# Altium PCB WiSN.PcbDoc (part 1 of 2)
Units mil, origin at the board's own origin, x right, y up, seen from the top; angles counter-clockwise.
Board outline 3858.27 x 3858.27 mil, 4 copper layers (Top Layer, GND, PWR, Bottom Layer), stack 61.2 mil thick; 132 components, 87 nets, 424 pads, 339 vias.
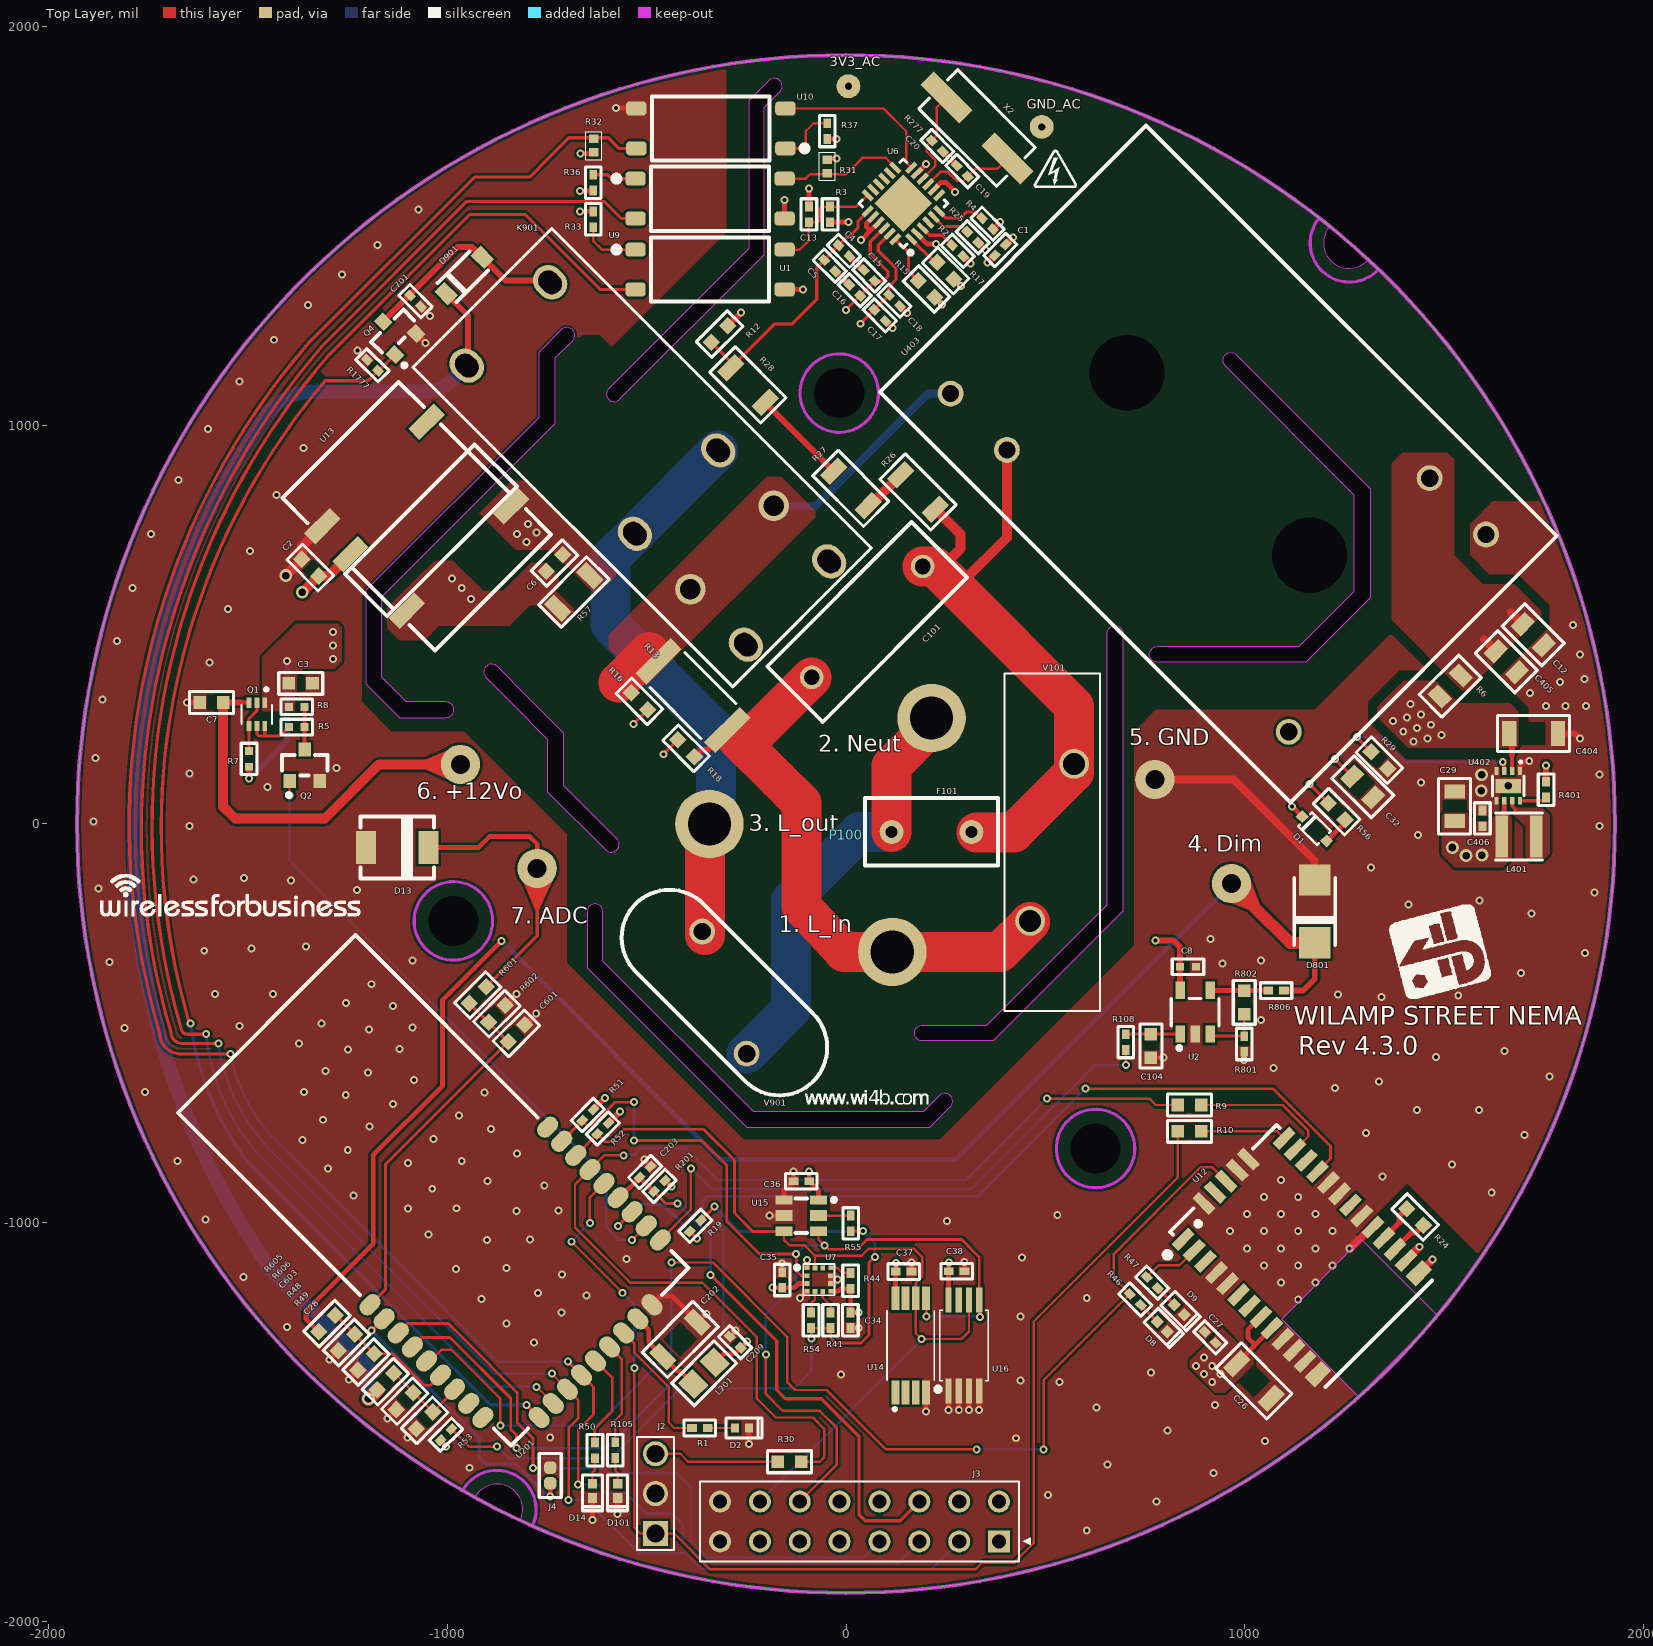
[diagram p0: Top Layer view]
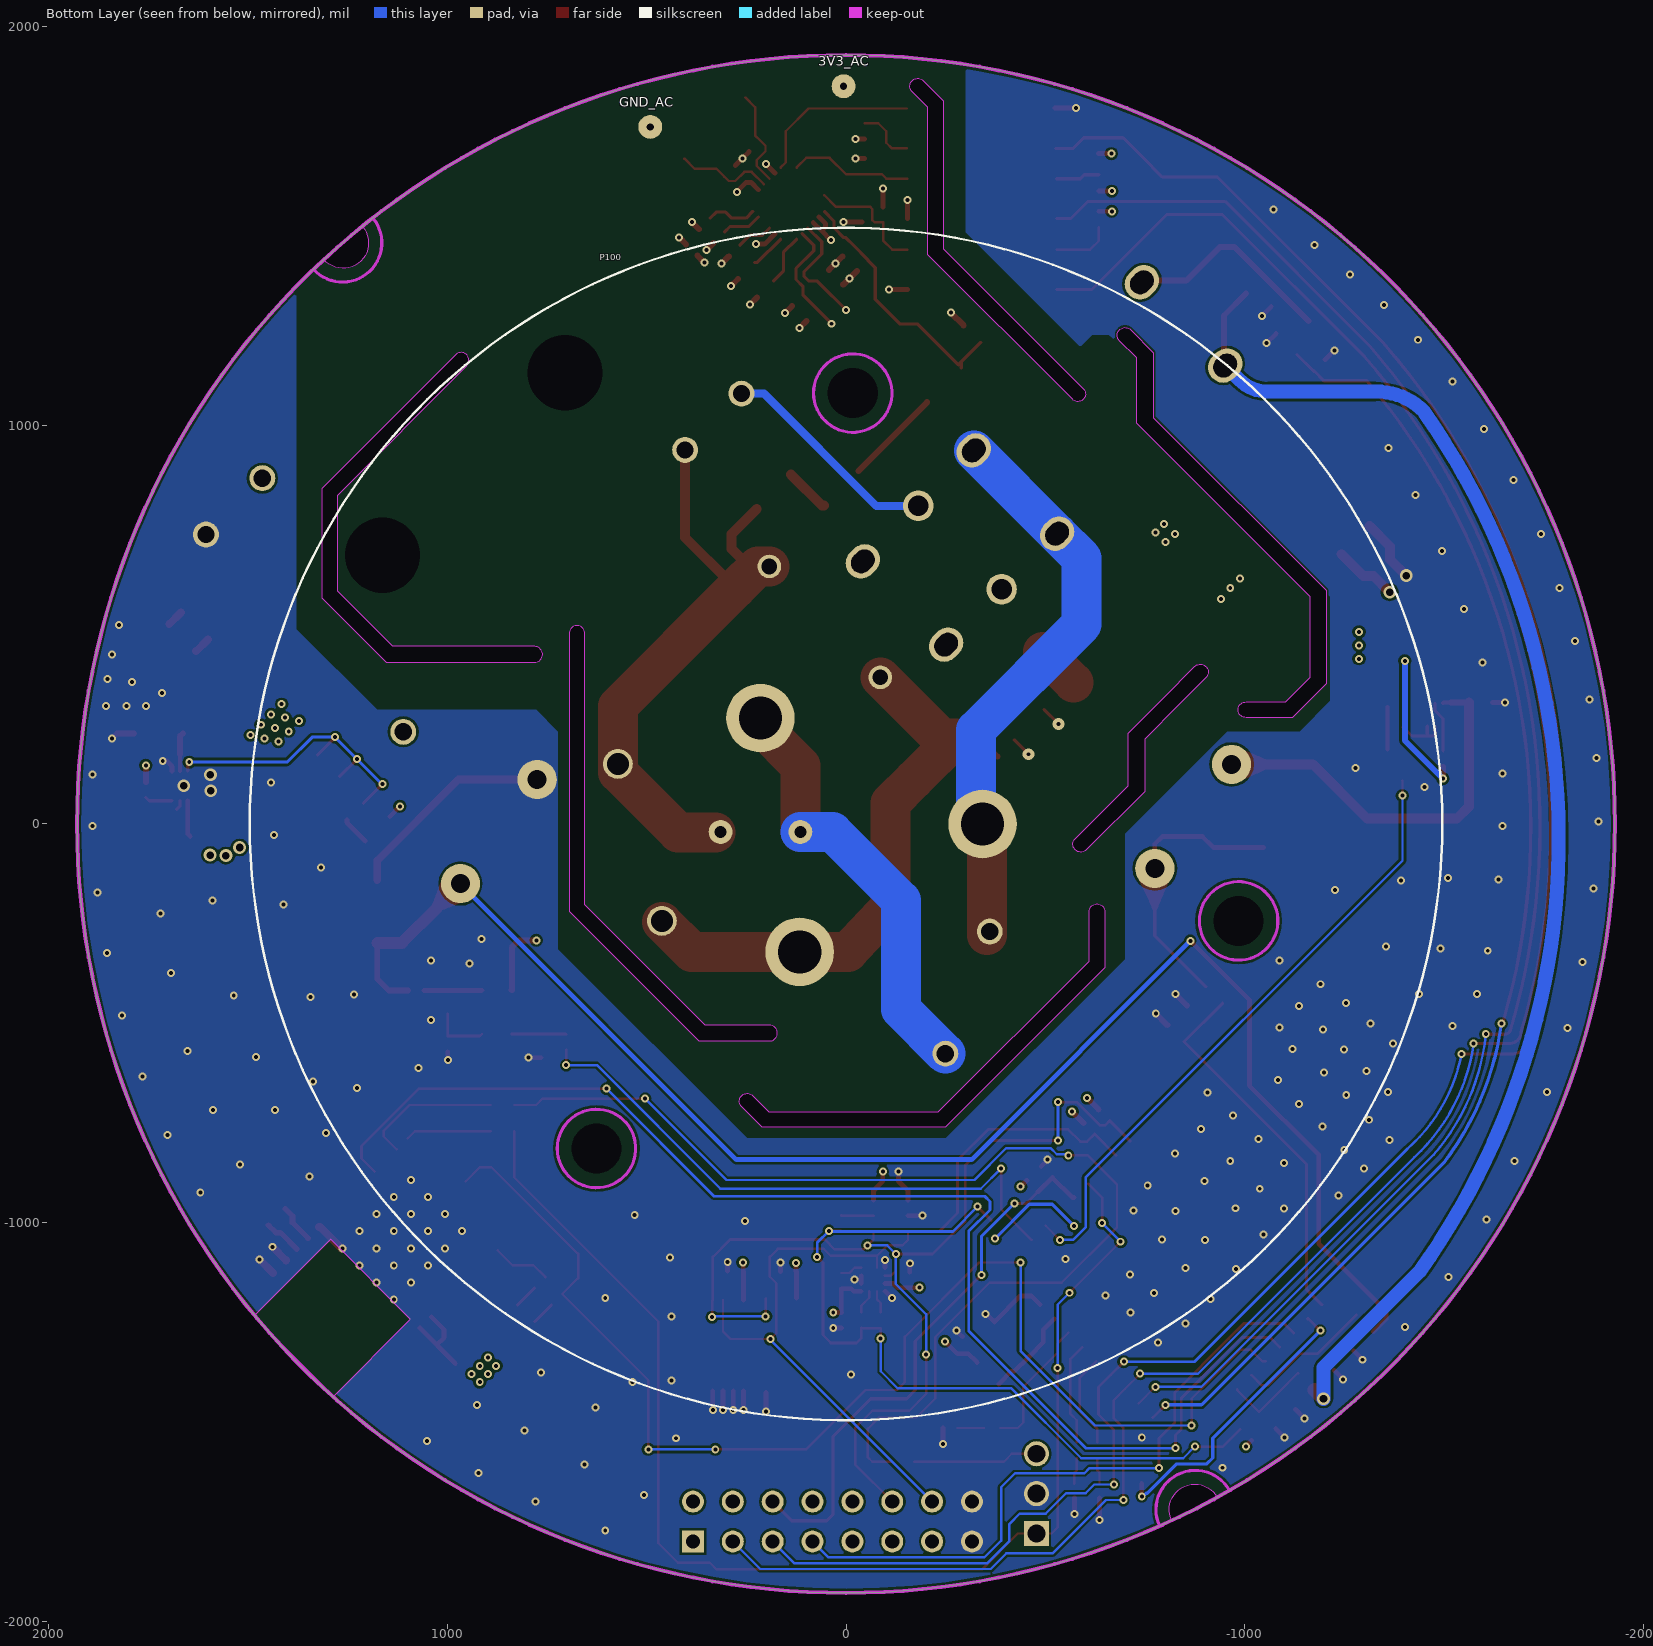
[diagram p1: Bottom Layer view, seen from below]
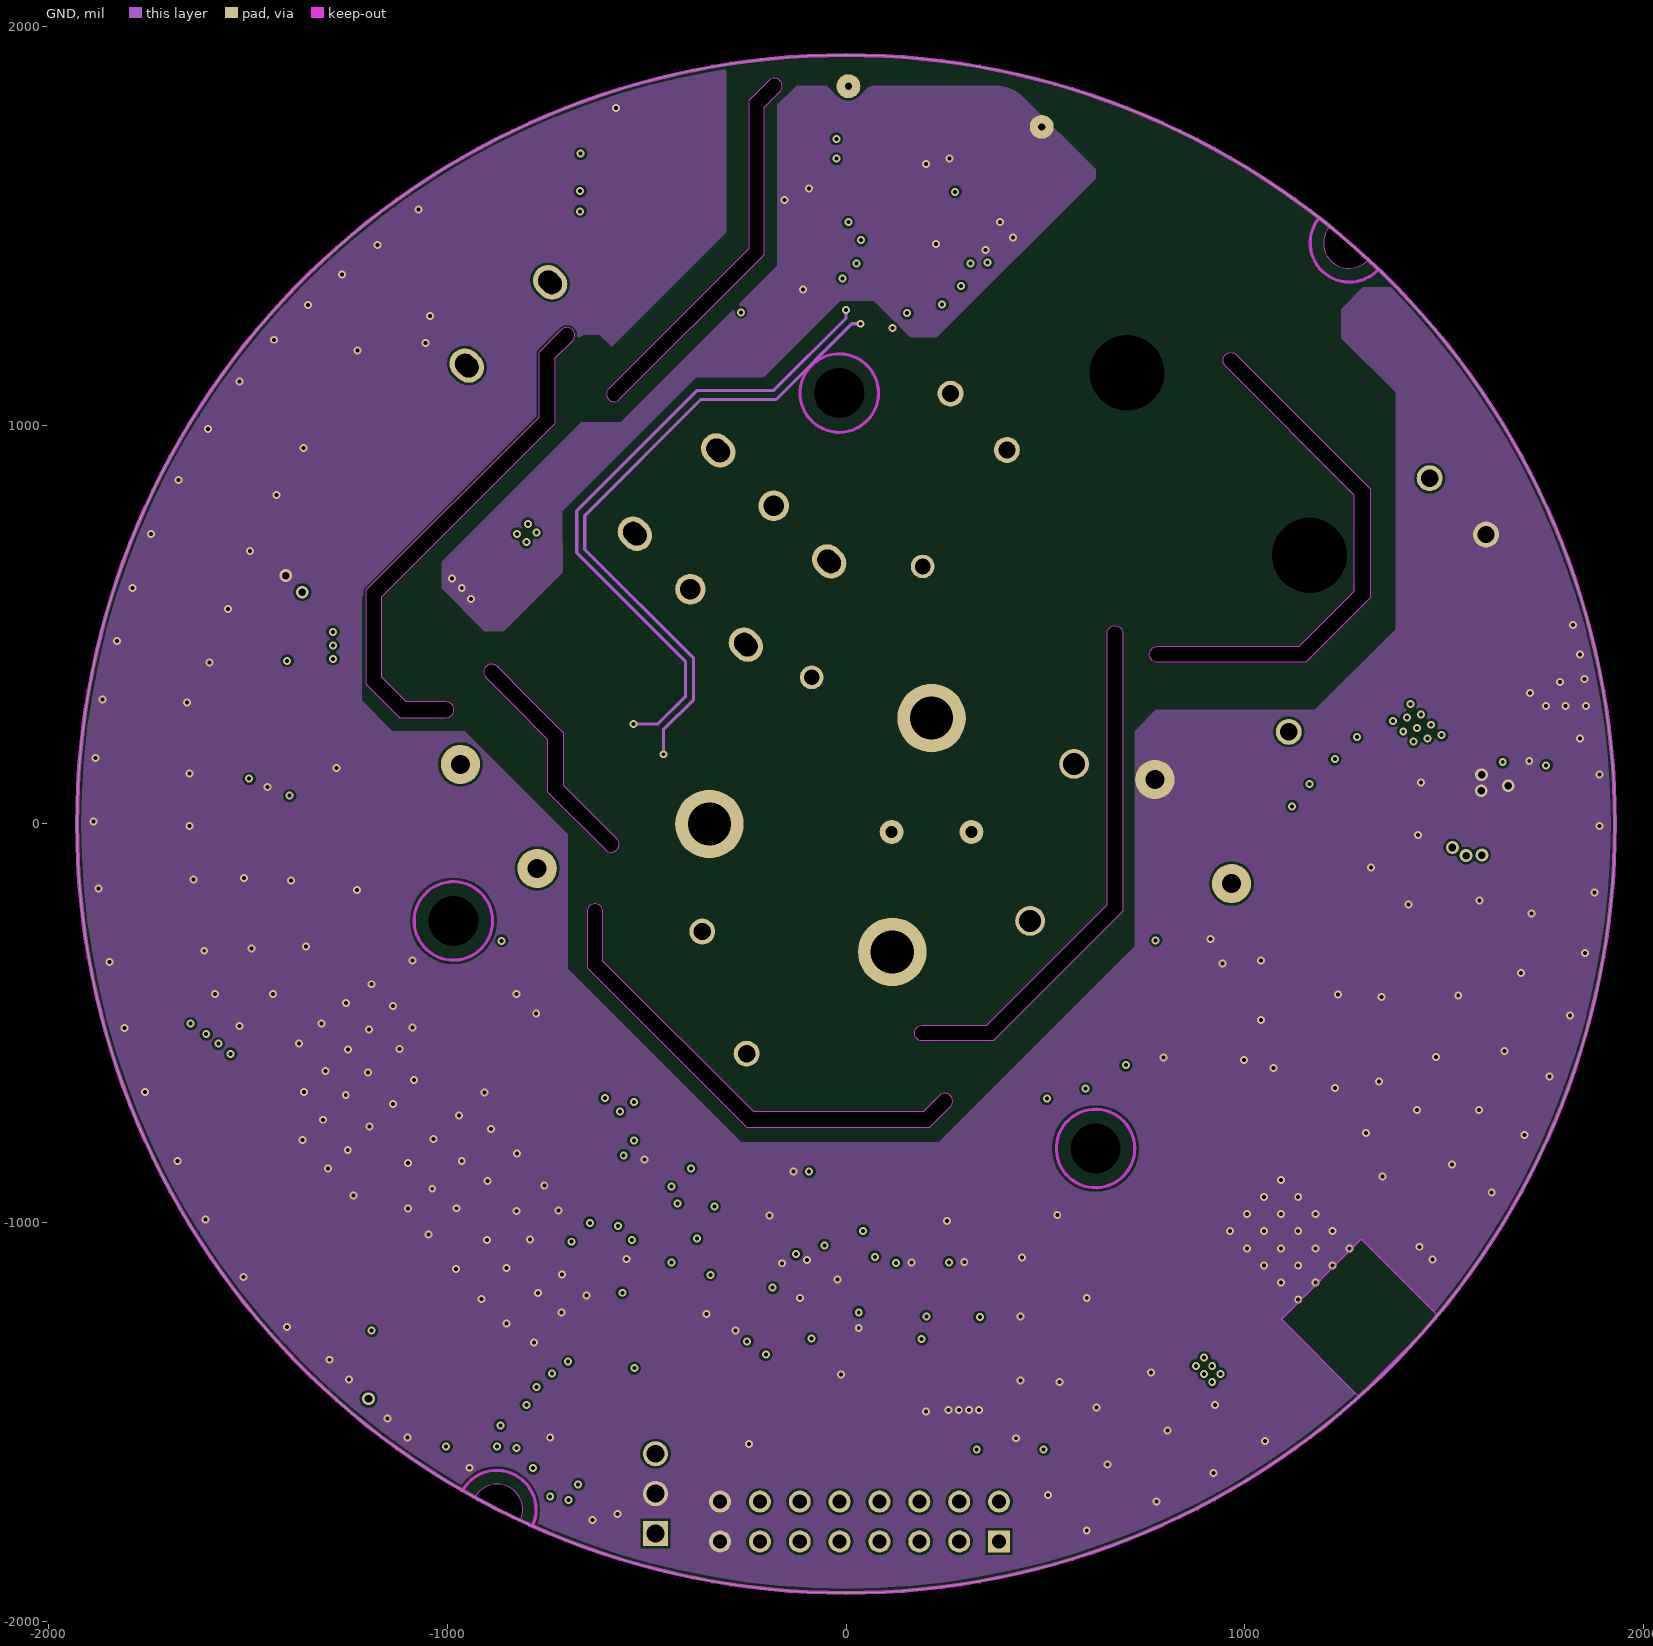
[diagram p2: GND]
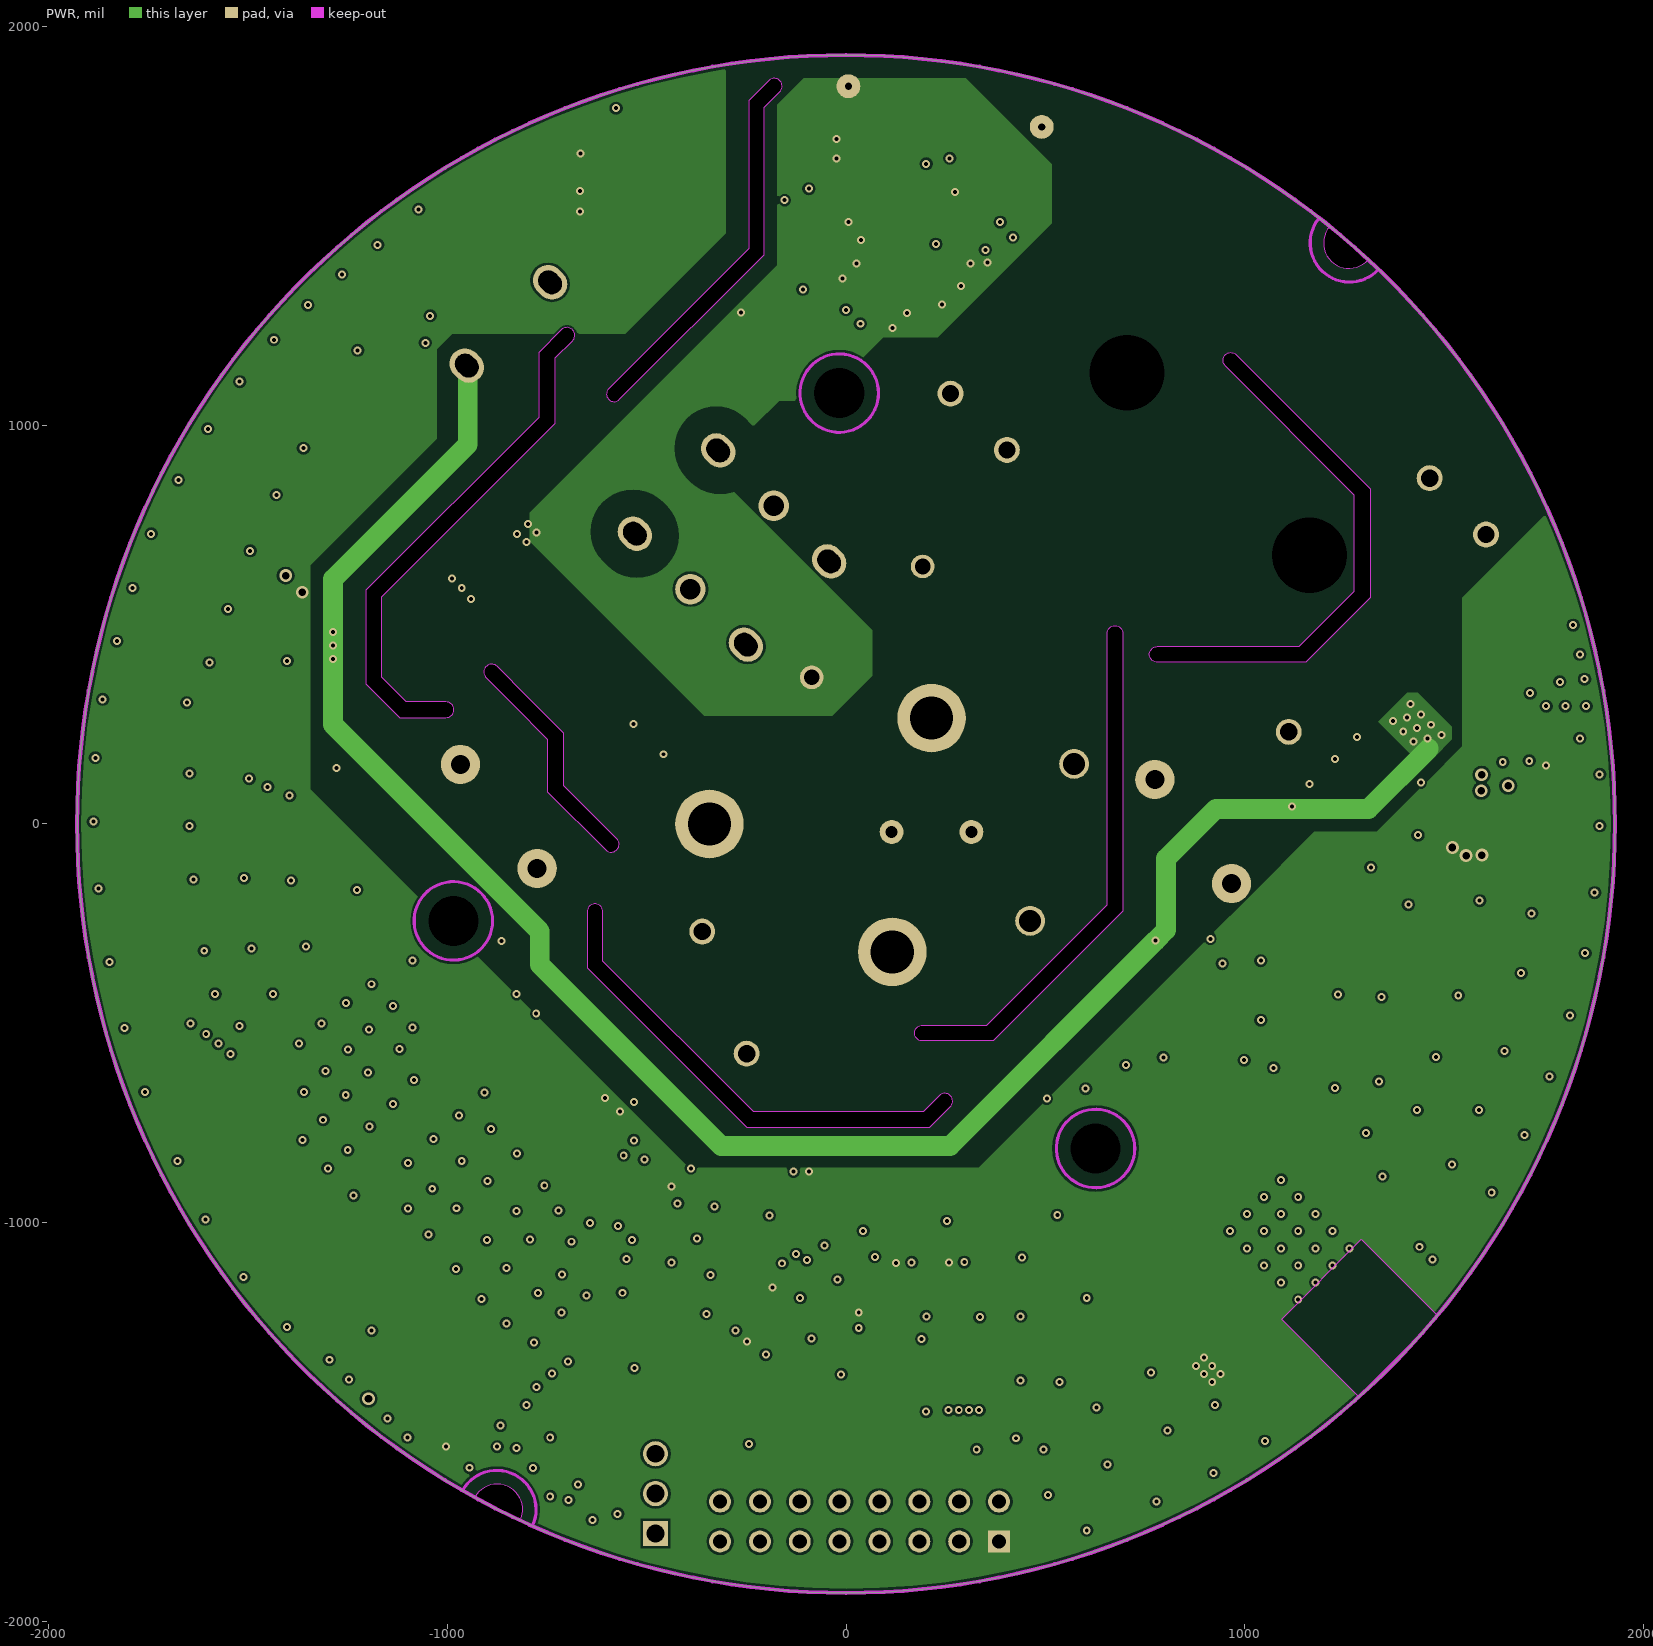
[diagram p3: PWR]

## Layer stack, top to bottom
Top Solder: solder mask 0.5, Solder Resist, Dk 3.5
Top Layer: signal copper 0.7
Dielectric1: core 9, FR-4, Dk 4.2
GND: signal copper 1.4
Dielectric 2: prepreg 39, Dk 4.2
PWR: signal copper 1.4
Dielectric 3: core 9, Dk 4.2
Bottom Layer: signal copper 0.7
Bottom Solder: solder mask 0.5, Solder Resist, Dk 3.5

## Board outline
-1929.13,0 ccw(c0,0) 0,-1929.13 ccw(c0,0) 1929.13,0 ccw(c0,0) 0,1929.13 ccw(c0,0)
cut-out: -649.37,-360.31 -248.68,-761 210.25,-761 261.82,-709.44 ccw(c247.9,-695.52) 233.98,-681.6 193.57,-722 -232,-722 -610,-344 -610,-220 ccw(c-629.69,-220) -649.37,-220
cut-out: -1125.88,273.16 -1119.66,266.94 -1003.6,266.94 ccw(c-1003.6,286.63) -1003.6,306.31 -1003.6,306.32 -1103.35,306.32 -1165,367.96 -1165,570 -729,1006 -729,1169.16 -686.08,1212.08 ccw(c-700,1226) -713.92,1239.92 -771,1182.84 -771,1019.68 -1204.37,586.31 -1204.37,351.65
cut-out: -836.06,300.33 -748.92,213.19 -748.92,81.3 -602.94,-64.68 ccw(c-589.02,-50.77) -575.1,-36.85 -708,96.05 -708,227.95 -796.69,316.64 -875.18,395.13 ccw(c-889.1,381.21) -903.02,367.29
cut-out: 781,406 cw(c781,425.69) 781,445.37 1137.69,445.37 1275.69,583.37 1275.69,825.37 951.69,1149.37 cw(c965.61,1163.29) 979.53,1177.21 1315.06,841.68 1315.06,567.06 1154,406
cut-out: -595.34,1092.34 ccw(c-581.82,1078.82) -568.31,1065.31 -205,1428.62 -205,1798 -166,1837 ccw(c-179.92,1850.92) -193.84,1864.84 -244.37,1814.31 -244.37,1443.31
cut-out: 192,-544.37 cw(c192,-524.69) 192,-505 353,-505 655,-203 655,478 cw(c674.69,478) 694.37,478 694.37,-219.31 369.31,-544.37
cut-out: 1212.61,1498.67 ccw(c1262,1458) 1309.65,1415.31 1262,1458
cut-out: -931.16,-1689.36 -875,-1720 -817.39,-1747.81 ccw(c-875,-1720)

## Design rules (kind name [scope] priority, off if disabled: settings)
Clearance "Schematic Clearance Constraint" [InNet('LINE_OUT')] p1: gap=66.93 ignorepadtopadclearanceinfootprint=FALSE except(0: Arc-Hole Track-Hole SMDPad-Hole THPad-Hole Via-Hole Fill-Hole Poly-Hole Region-Hole Text-Hole)
Clearance Clearance_line_in [InNamedPolygon('LINE_IN_L01_P008')] p2: gap=10 ignorepadtopadclearanceinfootprint=FALSE
Clearance HiV-LoV [InNetClass('HI-Voltage-Line')or InNetClass('HI-Voltage-Neutral')or InNetClass('HI-Voltage-IO') vs InNetClass('low_voltage')or InNetClass('Power')] p3: gap=80 ignorepadtopadclearanceinfootprint=FALSE
Clearance Default_Clearance [All] p4: gap=6 ignorepadtopadclearanceinfootprint=FALSE
ComponentClearance [All] p1: gap=0 collisioncheckmode=3 verticalgap=0 showdistances=FALSE
DiffPairsRouting [InDifferentialPairClass('All Differential Pairs')] p1: maxlimit=12 minlimit=7 mostfreqgap=12 toplayer_minwidth=5 toplayer_maxwidth=8 toplayer_prefwidth=8 midlayer1_minwidth=5 midlayer1_maxwidth=8 midlayer1_prefwidth=8 midlayer2_minwidth=5 midlayer2_maxwidth=8 midlayer2_prefwidth=8 bottomlayer_minwidth=5 bottomlayer_maxwidth=8 bottomlayer_prefwidth=8 maxuncoupledlength=500
FabricationTestPointUsage TestPointUsage [All] p1: valid=0 allowmultiple=FALSE
FabricationTestpoint Testpoint [All] p1: side=3 testpointundercomponent=TRUE minsize=40 maxsize=100 preferedsize=60 minholesize=0 maxholesize=40 preferedholesize=32 testpointgrid=1 allowsidetop=TRUE allowsidebottom=TRUE usegrid=TRUE gridtolerance=0.01
HoleSize [All] p1: absolutevalues=TRUE maxlimit=1600 minlimit=1 maxpercent=80.000 minpercent=20.000
NetAntennae [All] p1: netantennaetolerance=1
PlaneClearance [All] p1: clearance=23.62
PolygonConnect PolygonConnect_via [IsVia] p1: connectstyle=Direct reliefconductorwidth=20 reliefentries=4 polygonreliefangle="90 Angle" airgapwidth=10
PolygonConnect PolygonConnect_PAD [All] p2: thpad.connectstyle=Direct thpad.reliefconductorwidth=30 thpad.reliefentries=4 thpad.polygonreliefangle="90 Angle" thpad.airgapwidth=10 smdpad.connectstyle=Direct smdpad.reliefconductorwidth=10 smdpad.reliefentries=4 smdpad.polygonreliefangle="90 Angle" smdpad.airgapwidth=10 via.connectstyle=Relief via.reliefconductorwidth=10 via.reliefentries=4 via.polygonreliefangle="90 Angle" via.airgapwidth=10
RoutingVias Default_Vias [All] p1: holewidth=8 width=20 viastyle="Through Hole" minholewidth=8 minwidth=20 maxholewidth=18 maxwidth=30 useviatemplates=TRUE viatemplateguid#1={8205C427-EF58-413F-9BF3-A985F3399ACE} viatemplateguid#2={C1A60F4D-53F8-4D28-8506-77E22A863271} viatemplateguid#3={F02EBA32-536F-429B-A9C6-8DE2CC9303E4} viatemplateguid#4={5C6A8307-6EA1-4D24-858F-76B6E7E63065} viatemplatename#1=TP-P20H10A30 viatemplatename#2=TP-P20H10A30T viatemplatename#3=VIA-P20H10A30 viatemplatename#4=VIA-P32H19A40
SolderMaskExpansion SolderMaskExpansion_VIA [IsVia] p1: expansion=-10 istentingtop=FALSE
SolderMaskExpansion [All] p2: expansion=4 istentingtop=FALSE
Width Power [InNetClass('Power') or InNetClass('HI-Voltage-Line') or InNetClass('HI-Voltage-Neutral')] p1: maxlimit=100 minlimit=12 preferedwidth=15
Width SE_50Ohms [InNetClass('RF')] p2: maxlimit=14 minlimit=5 preferedwidth=14
Width Default_Width [InNetClass('All Nets')] p3: maxlimit=100 minlimit=6 preferedwidth=8 minimp=50.000000 maximp=50.000000 favimp=50.000000
23 further rules are at their usual default settings.
